# KiCad board POWERCORE-V2.0_MOTHERBOARD.kicad_pcb (continued)
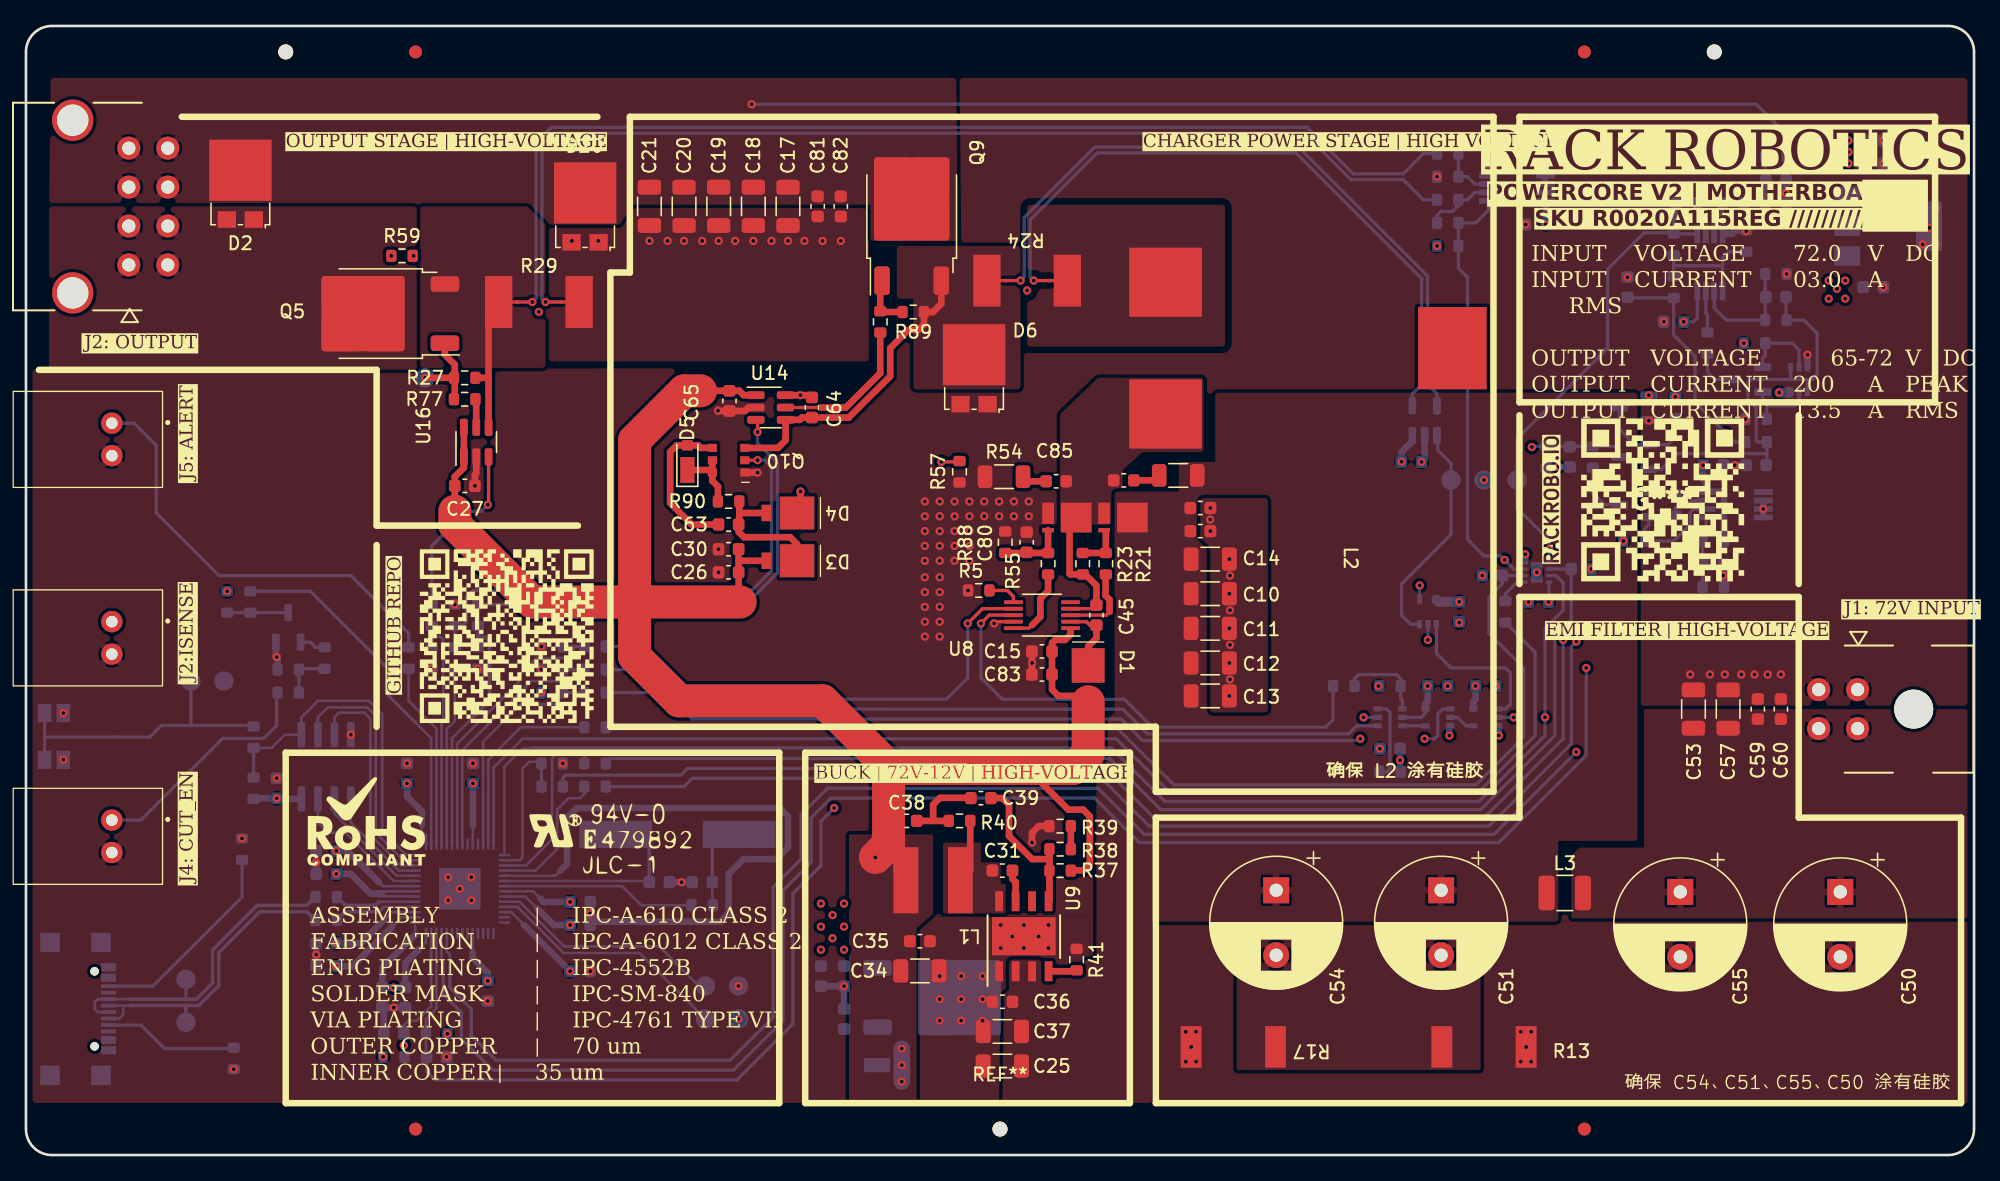
[diagram p0: board, top side]
## Routing (per net, layer and track width the routed paths; a pad name or vN(x,y) marks a point on that pad's centre or on a via; arc(x,y) is an arc through that point) (continued)
Net-(D7-A/K): length 3.6
  Bottom w0.254: D7.3 130.05,59.76 129.48,60.33 R62.2
Net-(D7-K): length 5.6
  Bottom w0.254: 134.05,57.73 134.05,57.92 133.73,58.24 D7.2 ; 134.05,57.73 R72.1 ; 134.05,57.73 136.14,57.73 136.53,58.11 Q12.5
Net-(J5-Pad1): length 33.7
  Bottom w0.254: J5.1 8.32,56.39 10.03,54.68 10.03,49.47 14.86,44.65 25.02,44.65 29.46,40.2 R3.1
Net-(J6-CC1): length 10.4
  Bottom w0.254: R69.1 15.94,8.2 10.67,8.2 8.85,10.02 J6.A5
Net-(J6-CC2): length 16
  Bottom w0.254: R71.1 16.64,19.88 9.77,13.02 J6.B5
Net-(Q1-G): length 8.2
  Bottom w0.254: Q11.3 122.69,55.95 123.89,54.74 Q1.1 126.42,54.74 127,55.32 127,56.78
Net-(Q2-D): length 4.4
  Bottom w0.254: R19.2 120.65,51 121.54,50.11 Q2.3
Net-(Q2-G): length 2.1
  Bottom w0.254: Q2.1 125.09,50.93 R33.2
Net-(Q2-S): length 8.3
  Bottom w0.254: U6.6 128.42,49.78 128.14,49.51 128.14,48.58 126.87,47.31 R36.1 124.65,48.27 124.96,48.58 Q2.2
Net-(Q3-G): length 5.1
  Top w0.508: Q3.4 R55.2 75.4,46.39 R88.1
Net-(Q5-G): length 7.4
  Top w0.508: 33.02,58.17 33.02,60.4 ; 33.02,60.4 33.02,60.9 32.26,61.67 Q5.1 ; 33.02,60.4 33.02,59.94 ; R27.1 v1(30.73,59.89)
Net-(Q5-S): length 11.1
  Top w0.508: 35.62,56 35.62,59.89 ; 35.62,59.89 34.61,59.89 34.67,59.94 ; 35.62,59.89 35.62,64.95 R29.1
Net-(Q7-D): length 4.7
  Bottom w0.254: R53.2 15.5,41.79 Q7.3
Net-(Q7-G): length 2
  Bottom w0.254: Q7.1 21.89,39.52 22.29,39.12 R80.1
Net-(Q9-G): length 4.1
  Top w0.508: R89.1 65.84,64.96 R25.1 65.78,67.23 Q9.1
Net-(Q10A-G): length 39.2
  Top w0.254: Q10.2 56.32,53.54 v1(56.33,53.55)
  Bottom w0.254: R96.2 R97.2 33.08,40.84 33.66,40.84 33.91,41.09 33.91,43 34.42,43.5 55.88,43.5 57.4,45.03 57.4,53.03 56.89,53.55 v1(56.33,53.55)
Net-(Q11-G): length 111.4
  In3.Cu w0.254: v1(118.36,39.69) 121.54,42.87 121.54,55.13 v1(124.96,58.55)
  Bottom w0.254: v1(118.36,39.69) 118.36,32.07 112.27,25.98 86.87,25.98 83.06,29.79 50.93,29.79 50.61,29.47 ; 50.55,29.41 50.61,29.47 ; 50.61,29.47 50.42,29.28 41.53,29.28 41.34,29.09 R10.2
Net-(R15-Pad2): length 2.4
  Bottom w0.254: R15.2 113.92,43.25 114.82,44.15 U7.1
Net-(R33-Pad1): length 3.2
  Bottom w0.254: R33.1 127,49.85 127.25,50.11 127.89,50.11 128.21,50.43 U6.7
Net-(R38-Pad2): length 1.8
  Top w0.508: 80.45,23.59 80.45,25.37
Net-(R49-Pad2): length 68.5
  In3.Cu w0.254: v1(102.74,32.07) v1(107.7,32.07)
  Bottom w0.254: R49.2 49.28,35.63 51.31,33.6 84.33,33.6 85.98,31.95 102.62,31.95 v1(102.74,32.07) ; v1(107.7,32.07) 108.46,32.07 108.71,32.33 108.71,34 109.08,34.38 U4.1
Net-(R62-Pad1): length 3.3
  Bottom w0.254: U15.7 129.34,64.91 129.48,64.78 R62.1
Net-(R78-Pad2): length 4
  Bottom w0.254: 22.92,37.41 R80.2 21.08,37.47 R79.1 R78.2 ; 22.99,37.54 22.98,37.54 ; 21.07,37.54 21.02,37.48
Net-(R100-Pad2): length 23.8
  Bottom w0.254: SW1.2 1.44,32.2 ; 1.44,32.2 SW1.2 ; 1.44,32.2 9.53,32.2 10.42,33.1 12.7,33.1 ; 17.53,33.1 12.7,33.1 ; 17.53,33.1 17.46,33.03 ; 17.53,33.1 17.53,33.28 ; TP9.1 12.7,33.1
Net-(U3-C): length 61.7
  Bottom w0.254: U3.1 102.47,33.08 101.85,32.46 86.35,32.46 84.46,34.35 66.05,34.35 66.04,34.36 51.56,34.36 48.51,37.41 R45.2
Net-(U3-D): length 6.3
  Bottom w0.254: R4.1 104.78,29.53 105.03,29.79 105.03,34.11 104.76,34.38 U3.3
Net-(U3-~{CLR}): length 1.8
  Bottom w0.254: U4.4 105.98,33.08
Net-(U4-Pad2): length 2.1
  Bottom w0.254: 111.45,33.08 110.89,33.08 110.24,33.73 U4.2
Net-(U6B-+): length 5.5
  Bottom w0.254: U6.5 129.37,48.29 129.1,48.01 R32.2 R34.1
Net-(U7A--): length 89.6
  Bottom w0.254: U7.2 113.68,44.65 C52.1 113.68,44.03 112.65,43 112.65,40.2 115.32,37.54 115.32,32.2 111.63,28.52 88.39,28.52 84.07,32.84 44.7,32.84
Net-(U8-EN): length 38.4
  Top w0.254: U8.7 73.65,42.1 v1(72.52,40.96)
  Bottom w0.254: R20.1 47.75,39.19 51.82,35.12 70.87,35.12 72.52,36.77 v1(72.52,40.96)
Net-(U8-HO): length 6.1
  Top w0.254: U8.3 83.19,41.6 83.44,41.85
  Top w0.508: R21.1 83.13,44.72 83.13,43.1 83.44,42.79 83.44,41.85
Net-(U8-IN): length 38.5
  Top w0.254: U8.8 76.02,41.61 74.18,41.61 v1(73.53,40.96)
  Bottom w0.254: R22.2 100.65,33.54 100.08,32.96 86.74,32.96 84.58,35.12 75.18,35.12 73.53,36.77 v1(73.53,40.96)
Net-(U8-LO): length 6
  Top w0.254: 77.47,40.84 77.23,40.6 U8.10
  Top w0.508: R55.1 78.7,43.47 78.11,42.87 78.11,41.47 77.47,40.84
Net-(U8-RDT): length 2.5
  Top w0.254: R5.1 75.57,43.5 76.03,43.04 U8.6
Net-(U9-BST): length 2.5
  Top w0.508: U9.7 76.2,21.03 75.96,21.27 75.96,21.94
Net-(U9-FB): length 12
  Top w0.508: U9.5 78.8,19.62 78.8,21.94 ; 78.8,21.94 78.8,23.59 ; 78.8,21.94 78.87,22 ; C39.1 75.18,27.5 75.69,26.99 75.69,24.58 77.47,22.8 78.8,22.8
Net-(U9-RT): length 2.2
  Top w0.508: U9.4 80.83,14.16 R41.1
Net-(U9-SW): length 4.9
  Top w0.508: L1.1 72.71,21.93 R40.1
Net-(U11-CLK): length 9.3
  Bottom w0.201: U2.52 29.27,21.52 29.27,21.52 28.53,21.52 23.75,26.3 U11.6
Net-(U11-DI(IO0)): length 8.3
  Bottom w0.201: U2.53 28.7,21.92 25.02,25.6 U11.5
Net-(U11-DO(IO1)): length 19.3
  Bottom w0.201: U2.55 29.04,22.72 26.92,24.84 26.92,33.85 26.29,34.49 23.24,34.49 22.48,33.73 U11.2
Net-(U11-~{RST}(IO3)): length 11.2
  Bottom w0.201: U11.7 22.48,25.6 23.24,24.84 24.6,24.84 28.32,21.12 29.43,21.12 29.43,21.12 U2.51
Net-(U11-~{WP}(IO2)): length 17.8
  Bottom w0.201: U2.54 28.88,22.32 26.53,24.67 26.53,33.62 26.05,34.09 24.11,34.09 23.75,33.73 U11.3
Net-(U13-+): length 17.5
  Bottom w0.254: U1.1 108.71,55.38 108.71,54.3 109.73,53.28 TP6.1 109.73,47.82 105.92,44.01 105.92,41.6 106.61,40.9 U13.3
Net-(U14-IN): length 36.7
  Top w0.254: 56.08,56.53 U14.3 56.33,56.52 v1(56.33,55.71)
  Bottom w0.254: R92.2 55.44,42.42 57.86,44.84 57.86,53.34 56.33,54.86 v1(56.33,55.71)
Net-(U15A-+): length 2.6
  Bottom w0.254: R51.2 130.62,72.65 129.99,72.02 U15.3
Net-(U15A--): length 2.6
  Bottom w0.254: R47.1 128.71,72.65 129.34,72.02 U15.2
Net-(U15B-+): length 10
  Bottom w0.254: 126.87,68.52 130.64,68.52 ; 126.87,68.52 R61.2 ; 126.87,68.52 R60.1 ; 130.64,68.52 130.64,69.12 131.13,69.6 R83.1 ; 130.64,68.52 U15.5
Net-(U15B--): length 9.2
  Bottom w0.254: U15.6 129.99,65.28 130.94,64.33 R28.1 R63.1
Net-(U16-HO): length 2.2
  Top w0.508: 34.67,58.17 34.67,56 34.67,56
Net-(U16-IN): length 13.9
  Top w0.254: v1(35.56,50.11) 35.62,50.17 U16.3
  Bottom w0.254: v1(35.56,50.11) 35.05,49.6 33.91,49.6 31.24,46.93 R18.2
Net-(U17A-+): length 4.3
  Bottom w0.254: U17.3 111.56,74.82 111,75.38 110.3,75.38 110.3,77.16
Net-(U17A--): length 5.5
  Bottom w0.254: R67.1 108.65,72.4 108.97,72.71 109.86,72.71 110.3,73.16 110.3,73.6 111,73.6 111.56,74.17 U17.2

## Copper pours and planes (outline as drawn; the poured copper is in the pictures)
+3V3 on Bottom: 66.93,13.79 60.33,13.79 60.33,20.01 66.93,20.01
+3V3 on In2.Cu: 149.99,83 0,83 0,4.01 149.99,4.01
+5V on Bottom, In3.Cu: 137.54,72.71 142.24,72.71 142.24,79.32 137.54,79.32
+12V on Top: 69.85,24.71 69.85,18.23 68.83,17.34 68.83,4.01 63.37,4.01 63.37,24.71
+12V on Bottom: 137.54,70.3 137.54,65.09 142.24,65.09 142.24,70.3
GND on Top: 0,4.01 0.13,60.52 67.06,60.65 67.06,83 149.99,83 149.99,4.01
GND on Top: 75.57,15.18 81.92,15.18 81.92,18.36 69.98,18.36 68.83,17.34 68.83,4.01 75.18,4.01 75.18,12.39 75.57,12.77
GND on Top: 112.27,17.98 112.27,6.29 92.96,6.29 92.96,17.98 86.74,17.98 86.74,4.01 149.99,4.01 149.99,17.98
GND on Top: 90.42,50.62 95.63,50.62 95.63,34.11 91.19,34.11 91.19,46.81 90.42,47.57
GND on Top: 40.01,71.44 40.01,61.16 64.9,61.16 64.9,73.1 46.86,73.1 45.72,71.44
GND on Bottom: 149.99,37.92 105.54,37.92 105.54,83 0,83 0,4.01 149.99,4.01
GND on Bottom: 145.53,73.47 142.24,72.46 137.54,72.46 137.54,70.56 142.24,70.56 145.53,69.67 147.53,69.67 147.53,73.47
GND on In1.Cu, In4.Cu: 149.99,4.01 149.99,83 0,83 0,4.01
GND on In3.Cu: 149.99,4.01 149.99,83 0,83 0,4.01
VBUS on Top: 75.18,4.01 86.74,4.01 86.74,17.98 117.98,17.98 117.98,24.2 124.08,24.2 124.08,58.74 91.57,58.74 91.57,53.41 88.77,53.41 88.77,51.12 83.82,51.12 83.82,34.11 82.42,32.71 82.42,15.06 75.69,15.06 75.69,12.77 75.31,12.39
/CHARGER_POWER_STAGE/VCAP on Top: 1.78,73.1 1.91,83 71.63,83 71.76,70.43 65.02,70.43 65.02,73.22 46.74,73.22 45.72,71.7 40.01,71.7 38.61,73.1
/CHARGER_POWER_STAGE/VS_DIODE on Top: 67.06,70.05 67.06,65.98 68.33,65.98 68.33,59 76.58,59 76.58,70.05
/CHARGER_POWER_STAGE/VSW on Top: 79.63,47.95 82.04,47.95 82.04,48.58 83.57,48.58 83.57,50.36 84.46,51.25 84.46,52.78 85.98,54.17 90.68,54.17 90.68,59.89 82.55,59.89 79.63,57.09
/CONNECTORS/ELECTRODE_- on Top: 1.78,73.1 1.78,60.52 30.35,60.52 30.35,73.1
VDC on Top: 124.59,34.36 149.86,34.36 149.99,17.98 119,17.98 119,23.06 119.63,23.69 124.59,23.69
Net-(C51-Pad2) on Top: 92.96,17.98 92.96,6.29 112.27,6.29 112.27,17.98
Net-(D19-K) on Bottom: 66.68,4.26 59.69,4.26 59.69,10.48 66.68,10.48
Net-(L2-Pad1) on Top: 76.96,62.3 92.33,62.3 92.33,73.22 77.09,73.22
Net-(Q5-S) on Top: 30.35,73.1 38.61,73.1 40.01,71.7 40.01,60.65 30.35,60.65
Net-(U9-SW) on Top: 75.44,18.49 70.61,18.49 70.61,24.07 73.53,24.07 73.53,22.55 75.06,22.55 75.06,20.9 75.44,20.9

## Text on the board
B.Silkscreen: J6: USB | SW1: / BOOT | DEBUG
User.Drawings: Copper Layer Count: | Board overall dimensions: | Min track/spacing: | Copper Finish: | Castellated pads: | Edge card connectors: | 6 | 5905 mils x 3150 mils | 7.80 mils / 7.80 mils | ENIG | No | Board Thickness: | Min hole diameter: | Impedance Control: | Plated Board Edge: | 60 mils | 12 mils | BOARD CHARACTERISTICS | FAB NOTES: / 1.	FABRICATE PER IPC-A-6012 CLASS 2 / 2.	ALL DIMENSIONS SHALL BE TAKEN FROM THE ACCOMPANYING DATABASE / 3.	REMOVAL OF NON-FUNCTIONAL PADS IS ACCEPTABLE / 4.	PRINT PER GERBERS / 5.	FABRICATION SHALL BE CAPABLE OF WITHSTANDING ROHS LEVEL ASSEMBLY / 6.	PLATE ALL EXPOSED CONDUCTIVE SURFACES WITH ENIG PER IPC-4552B / 7.	SOLDER MASK OVER BARE COPPER IAW IPC-SM-840. BOTH SIDES USING LPI, BLACK. / TOOLING HOLES TO BE FREE AND CLEAR OF SOLDER MASK AND SOLDER MASK NODULES / 8.	SOLDER MASK CLEARANCE 3 MIL MIN WEB / 9.	APPLY SILKSCREEN USING WHITE,NON-CONDUCTIVE EPOXY INK / 10.	COPPER PLATE TFOR THRU-HOLES SHALL HAVE 1 MIL MIN WALL THICKNESS / 11.	DESIGN HAS VIA-IN-PAD: / ALL 12MIL VIAS TO BE FILLED AND CAPPED PER IPC-4761 TYPE VII / 12.	BARE BOARDS SHALL BE TESTED USING CAD GENERATED NET LIST / 13.	OUTER COPPER WEIGHT: 2OZ / 14.	INNER COPPER WEIGHT 1OZ | ASSY NOTES: / 1.	ASSEMBLE PER IPC-A-610 CLASS 2 / 2.	ASSEMBLE USING SAC305 SOLDER / 3.	DO NOT POPULATE THE FOLLOWING COMPONENTS: R68, C80 / 4.	ADHERE COMPONENTS C54, C51, C55, C50 AND L2 USING DOW CORNING DOWSIL 744         RTV ADHESIVE SEALANT OR EQUIVALENT NEUTRAL CURE SILCONE ADHESIVE
F.Silkscreen: 确保 L2 涂有硅胶 | RACKROBO.IO | J2: OUTPUT | J1: 72V INPUT | J5: ALERT | J2:ISENSE | J4: CUT_EN | GITHUB REPO
